# Allegro board reServer industrial J401 Carrier Board v11.brd (continued)
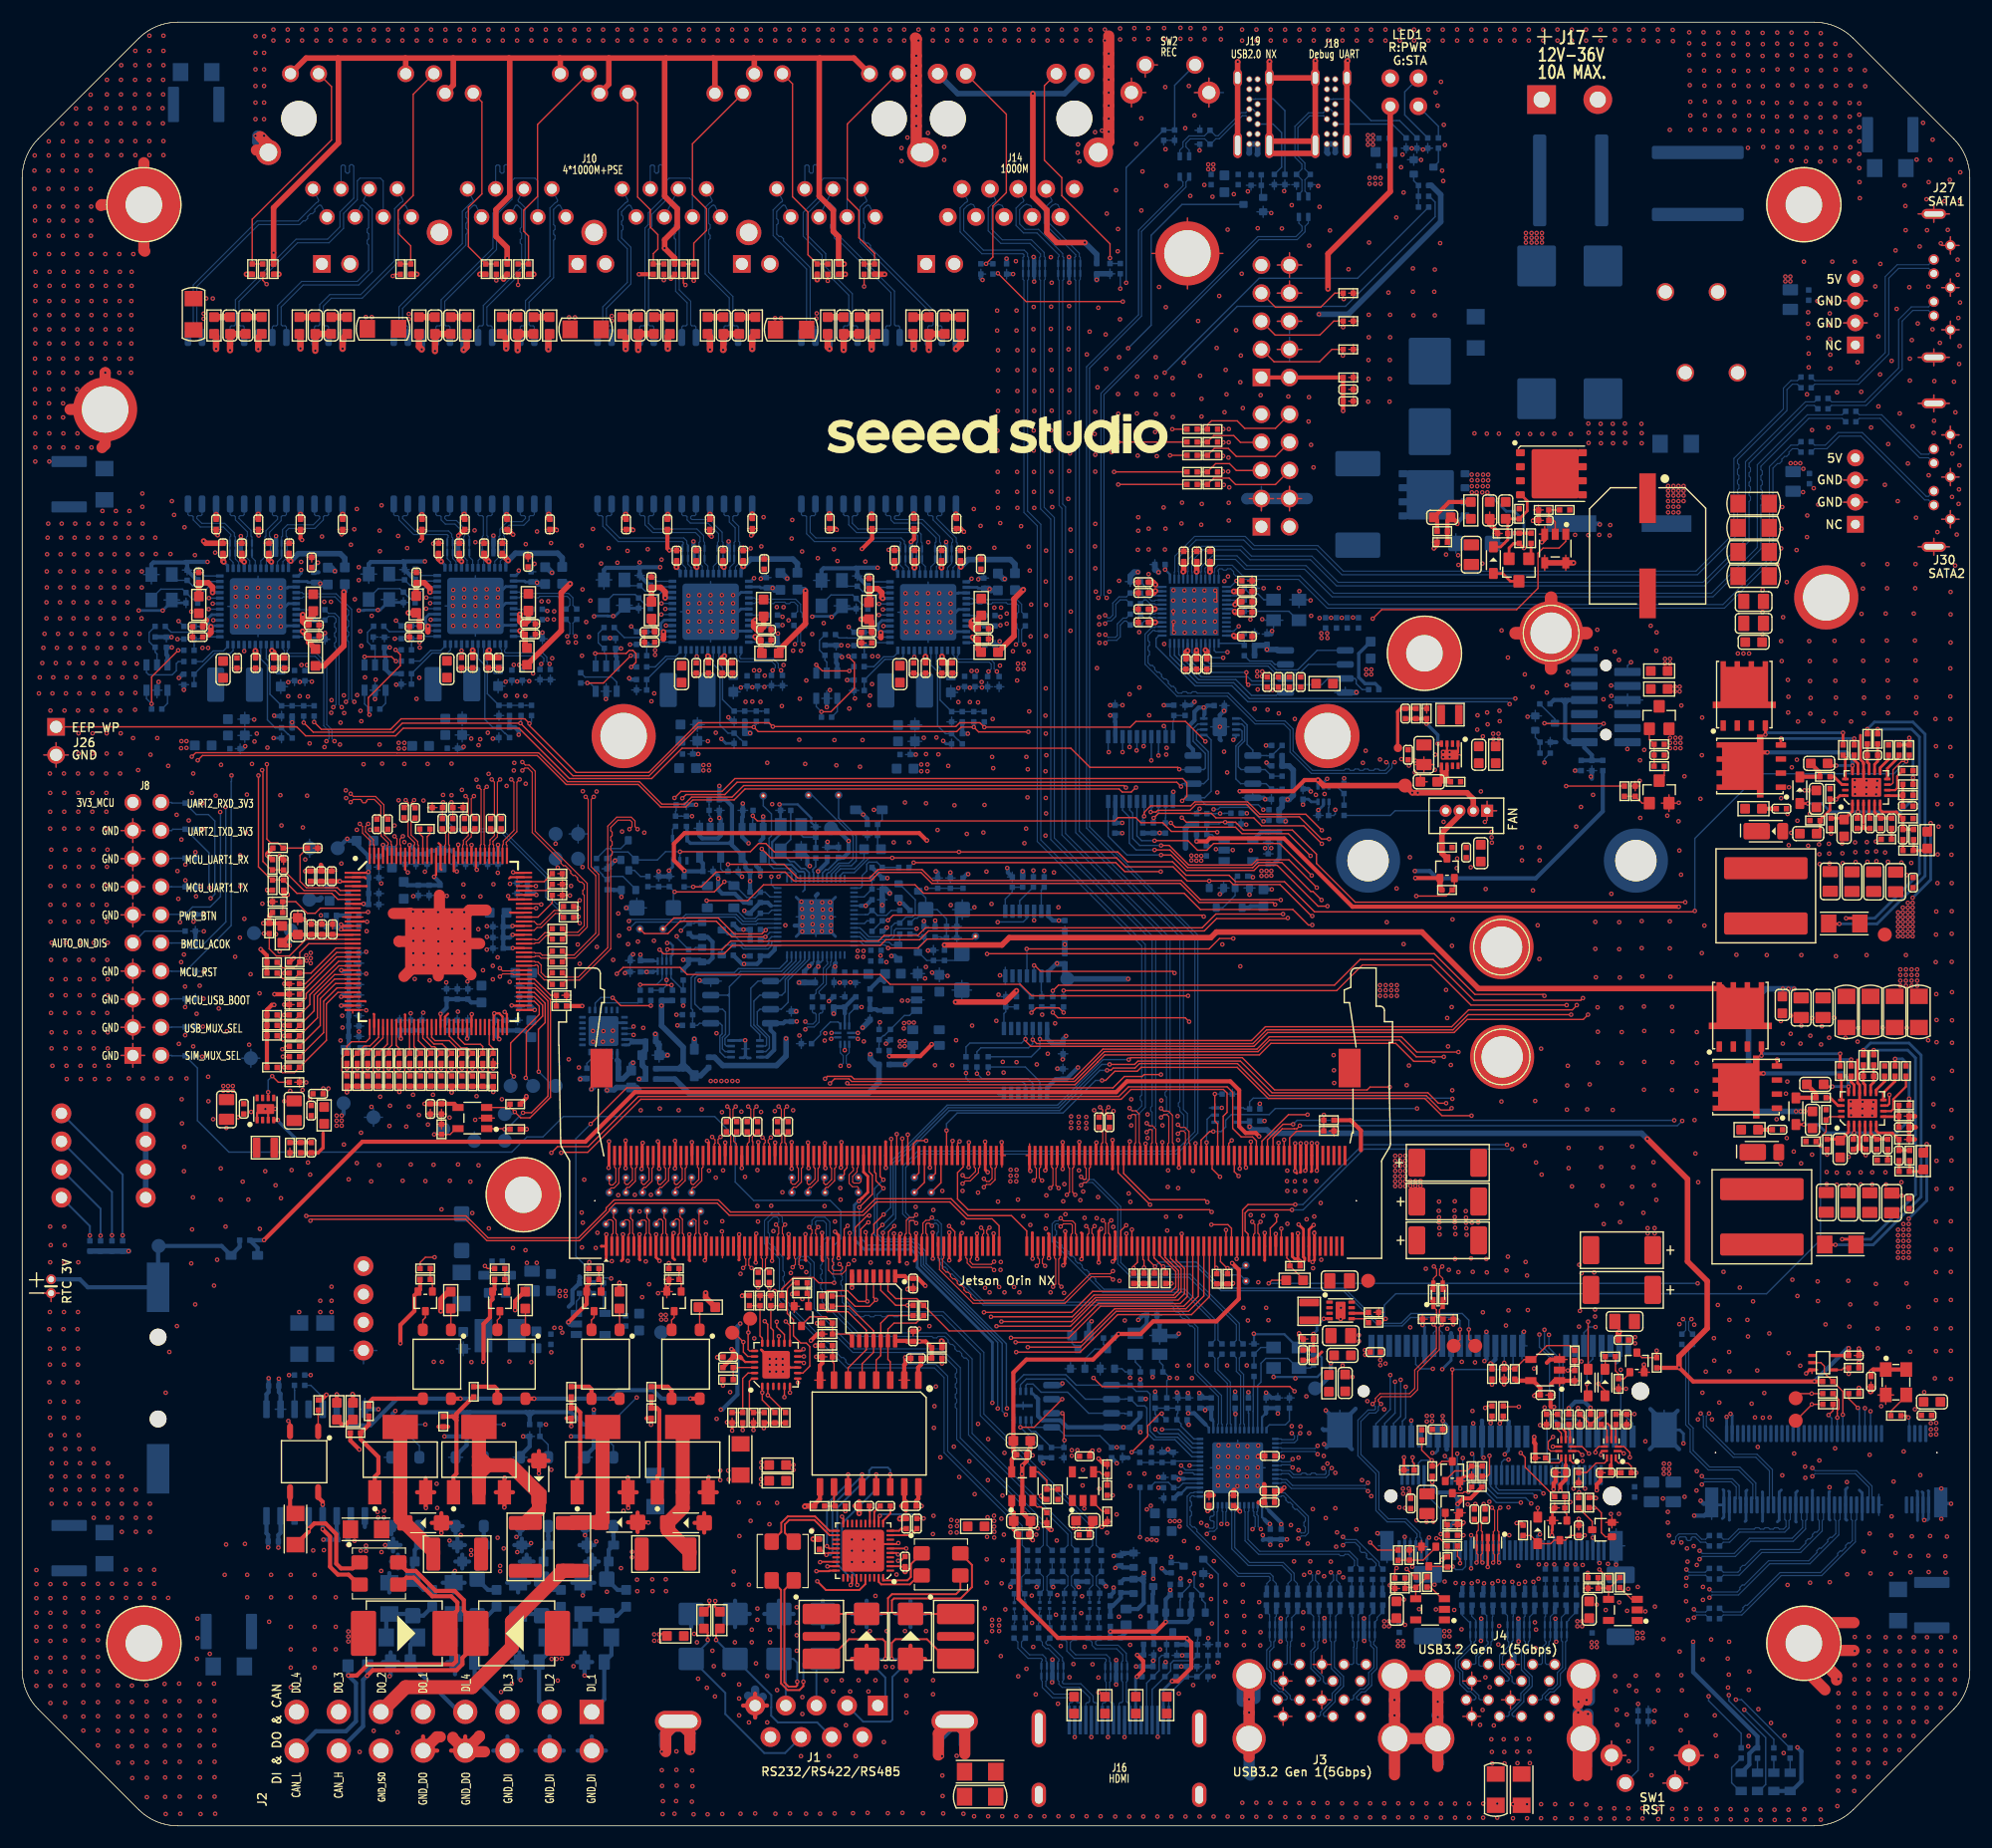
[diagram p0: board, top side]
## Routing (per net, layer and track width the routed paths; a pad name or vN(x,y) marks a point on that pad's centre or on a via; arc(x,y) is an arc through that point) (continued)
 v1(109.04,126.23) v1(109.03,125.02) v1(109.01,123.65) v1(108.98,122.39) v1(109.03,119.56) v1(109.03,117.96) v1(109,34.39) v1(108.97,33.4) v1(108.98,32.41) v1(109.08,120.96) v1(109.39,88.18) v1(109.49,147.45) v1(109.69,135.16) v1(109.86,34.34) v1(109.84,33.35) v1(109.81,31.6) v1(109.81,30.71) v1(110.13,132.87) v1(110.08,130.46) v1(110.08,77.68) v1(110.2,140.26) v1(110.3,128.12) v1(110.35,46.81) v1(110.3,21.8) v1(110.3,20.25) v1(110.43,18.98) v1(110.43,17.53) v1(110.41,16.33) v1(110.66,41.61) v1(110.76,147.7) v1(110.76,45.67) v1(110.72,34.31) v1(110.7,33.32) v1(110.7,32.34) v1(110.67,31.57) v1(110.67,30.68) v1(110.99,109.02) v1(111.02,88.16) v1(111.02,55.2) v1(111.37,100.94) v1(111.65,144.38) v1(111.65,102.69) v1(111.67,32.39) v1(111.64,31.62) v1(111.64,30.73) v1(111.7,49.13) v1(111.69,34.36) v1(111.78,20.22) v1(111.91,129.29) v1(111.9,18.95) v1(111.9,17.5) v1(111.88,16.31) v1(112.06,109.04) v1(112.13,55.15) v1(112.11,26.27) v1(112.18,111.84) v1(112.32,88.36) v1(112.41,46.81) v1(112.54,100.87) v1(112.62,45.7) v1(112.87,145.75) v1(112.87,88.36) v1(113,102.64) v1(113.56,111.86) v1(113.73,25.35) v1(113.83,144.35) v1(114.04,147.73) v1(114.32,59.21) v1(114.29,58.27) v1(114.32,57.38) v1(114.41,129.17) v1(114.65,27.18) v1(114.72,146.46) v1(114.72,36.12) v1(114.93,23.9) v1(115,100.03) v1(115.01,58.24) v1(115.03,57.36) v1(115.05,40.44) v1(115.33,33.28) v1(115.33,32.16) v1(115.41,111.58) v1(115.51,36.1) v1(115.77,19.31) v1(115.71,17.86) v1(115.74,16.36) v1(115.84,22.68) v1(115.92,58.27) v1(115.94,57.38) v1(116.04,38.81) v1(116.17,25.5) v1(116.25,126.91) v1(116.3,142.8) v1(116.28,129.11) v1(116.3,35.49) v1(116.47,124.8) v1(116.43,110.75) v1(116.4,23.9) v1(116.48,109.35) v1(116.65,50.4) v1(116.63,28.63) v1(116.69,122.76) v1(116.76,55.07) v1(116.9,93.17) v1(116.96,58.27) v1(117.11,148.19) v1(117.24,146.31) v1(117.24,109.15) v1(117.34,56.29) v1(117.64,34.5) v1(117.62,33.43) v1(117.64,22.56) v1(117.69,93.25) v1(117.8,27.82) v1(117.95,32.74) v1(118.18,144.17) v1(118.25,23.88) v1(118.28,109.17) v1(118.51,69.65) v1(118.53,68.28) v1(118.56,67.13) v1(118.66,31.9) v1(118.66,28.7) v1(118.74,25.22) v1(118.81,26.52) v1(119.17,46.81) v1(119.14,45.8) v1(119.24,109.17) v1(119.32,41.61) v1(119.37,22.46) v1(119.46,94.66) v1(119.85,140.67) v1(120.26,109.2) v1(120.21,40.57) v1(120.57,26.8) v1(120.79,44.35) v1(120.79,43.79) v1(121.15,96.07) v1(121.07,31.24) v1(121.4,97.16) v1(121.56,38.38) v1(121.66,132.46) v1(121.66,130.76) v1(121.63,128.7) v1(121.71,143.08) v1(121.68,136.55) v1(121.68,134.52) v1(121.91,29.8) v1(122.7,96.37) v1(122.72,41.63) v1(123.08,37.65) v1(123.19,41.78) v1(123.31,81.66) v1(123.46,138.56) v1(123.56,128.7) v1(123.61,136.55) v1(123.61,134.52) v1(123.59,132.46) v1(123.59,130.76) v1(123.59,21.74) v1(124.17,145.34) v1(124.2,84.71) v1(124.45,28.78) v1(124.6,149.89) v1(124.63,96.4) v1(124.73,151.03) v1(124.83,147.6) v1(124.83,79.68) v1(124.86,20.45) v1(124.96,28.73) v1(124.96,18.16) v1(125.11,66.93) v1(125.32,95.81) v1(125.32,68.71) v1(125.4,87.53) v1(125.43,45.05) v1(125.57,151.59) v1(125.67,140.74) v1(125.67,138.64) v1(125.62,23.42) v1(125.72,136.5) v1(125.85,95.2) v1(125.87,96.27) v1(126,27.61) v1(126.23,19.59) v1(126.41,150.55) v1(126.59,151.49) v1(126.84,50.35) v1(126.9,27.48) v1(127.51,27.48) v1(127.65,140.64) v1(127.6,138.64) v1(127.65,136.5) v1(127.66,95.43) v1(127.63,21.8) v1(127.73,156.64) v1(127.7,96.8) v1(127.75,19.56) v1(127.91,155.45) v1(128.03,56.42) v1(128.01,55.58) v1(128.03,54.99) v1(128.03,54.54) v1(128.06,54.03) v1(128.13,143.03) v1(128.08,53.44) v1(128.21,157.61) v1(128.31,149.58) v1(128.36,37.04) v1(128.47,153.72) v1(128.41,148.64) v1(128.41,97.03) v1(128.41,96.57) v1(128.44,90.73) v1(128.57,151.89) v1(128.54,22.08) v1(128.67,114.89) v1(128.67,75.54) v1(128.77,73) v1(128.85,70.44) v1(128.78,44.93) v1(128.92,50.24) v1(128.99,97.03) v1(128.99,96.6) v1(129.1,68.76) v1(129.25,81.92) v1(129.2,79.53) v1(129.18,73.99) v1(129.23,66.47) v1(129.46,56.44) v1(129.43,55.6) v1(129.46,55.02) v1(129.46,54.56) v1(129.4,19.51) v1(129.48,54.05) v1(129.51,53.47) v1(129.48,51.23) v1(129.53,21.95) v1(129.67,87.42) v1(129.63,86.55) v1(129.77,114.83) v1(129.68,16.21) v1(129.79,113.95) v1(129.79,50.04) v1(130.07,17.76) v1(130.09,41.94) v1(130.45,55.55) v1(130.47,54.97) v1(130.47,54.51) v1(130.5,54) v1(130.52,53.42) v1(130.62,29.06) v1(130.9,86.62) v1(130.93,51.29) v1(131.01,54.51) v1(131.06,37.49) v1(131.08,50.07) v1(131.23,125.83) v1(131.28,41.89) v1(131.51,100.36) v1(131.49,99.06) v1(131.56,54.54) v1(131.54,22.1) v1(131.74,9.13) v1(131.82,93.48) v1(131.94,114.07) v1(131.97,10.47) v1(132,98.45) v1(132,46.41) v1(132.18,90.73) v1(132.25,84.66) v1(132.22,13.42) v1(132.35,125.81) v1(132.3,51.23) v1(132.35,50.02) v1(132.38,100.61) v1(132.43,99.55) v1(132.58,29.29) v1(132.61,12.53) v1(132.76,7.83) v1(132.81,6.68) v1(132.83,5.64) v1(132.99,9.08) v1(133.37,22.13) v1(133.44,125.81) v1(133.47,18.07) v1(133.39,16.39) v1(133.49,100.76) v1(133.52,99.82) v1(133.67,65.46) v1(133.88,7.83) v1(133.93,6.68) v1(133.95,5.64) v1(134.13,50.19) v1(134.08,45.21) v1(134.26,105.58) v1(134.26,51.44) v1(134.31,46.59) v1(134.31,28.78) v1(134.38,26.27) v1(135.04,7.85) v1(135.15,125.81) v1(135.09,6.71) v1(135.12,5.67) v1(135.2,23.5) v1(135.25,21.87) v1(135.5,88.42) v1(135.53,87.25) v1(135.79,104.06) v1(135.78,61.47) v1(135.86,50.95) v1(136.03,100.23) v1(135.98,49.74) v1(136.06,46.61) v1(136.16,7.85) v1(136.26,125.78) v1(136.21,6.71) v1(136.24,5.67) v1(136.52,84.53) v1(136.62,41.33) v1(136.72,65.51) v1(136.69,18.39) v1(136.75,16.06) v1(136.8,59.95) v1(136.8,17.74) v1(136.95,81.38) v1(137.05,23.62) v1(137.02,22.33) v1(137.1,88.42) v1(137.13,87.25) v1(137.1,78.34) v1(137.16,36.21) v1(137.15,26.34) v1(137.25,70.23) v1(137.36,125.78) v1(137.3,58.85) v1(138.45,125.81) v1(139.67,68.68) v1(139.62,66.91) v1(139.59,64.72) v1(139.74,61.27) v1(139.74,59.44) v1(139.95,125.78) v1(140.05,57.79) v1(140.33,116.66) v1(140.43,90.3) v1(140.71,50.7) v1(140.76,46.54) v1(140.68,45.11) v1(140.86,92.08) v1(140.91,49.94) v1(141.01,23.57) v1(141.42,64.75) v1(141.52,126.72) v1(141.55,125.88) v1(141.55,124.97) v1(141.52,116.64) v1(141.65,67.01) v1(141.75,94.82) v1(141.95,93.17) v1(142.05,50.02) v1(142.16,81.69) v1(142.16,79.25) v1(142.13,46.66) v1(142.13,46.03) v1(142.26,106.38) v1(142.21,76.69) v1(142.33,108.09) v1(142.36,73.97) v1(142.28,56.06) v1(142.28,19.99) v1(142.38,71.76) v1(142.38,68.96) v1(142.51,116.66) v1(142.64,126.7) v1(142.66,125.86) v1(142.66,124.95) v1(142.69,61.27) v1(142.69,59.54) v1(142.82,57.84) v1(142.92,54.38) v1(143.1,19.51) v1(143.3,23.68) v1(143.45,116.61) v1(143.5,117.55) v1(143.53,101.17) v1(143.56,28.19) v1(143.6,102.11) v1(143.6,84.23) v1(143.73,126.7) v1(143.76,125.86) v1(143.76,124.95) v1(143.73,64.7) v1(143.93,13.54) v1(143.98,12.17) v1(144.09,10.49) v1(144.14,9.12) v1(144.29,105.36) v1(144.31,81.66) v1(144.31,79.23) v1(144.37,76.66) v1(144.29,28.2) v1(144.31,20.2) v1(144.39,54.56) v1(144.52,73.94) v1(144.54,71.73) v1(144.54,68.94) v1(144.54,56.24) v1(144.82,126.72) v1(144.85,125.88) v1(144.85,124.97) v1(144.92,39.5) v1(145.03,19.43) v1(145,10.06) v1(145.13,21.41) v1(145.15,7.65) v1(145.2,12.68) v1(145.18,5.84) v1(145.48,61.39) v1(145.48,57.76) v1(145.58,59.51) v1(145.81,13.57) v1(145.86,12.19) v1(145.99,21.59) v1(146.17,94.44) v1(146.19,96.29) v1(146.22,91.09) v1(146.32,126.7) v1(146.35,125.86) v1(146.35,124.95) v1(146.35,81.77) v1(146.35,79.33) v1(146.4,76.76) v1(146.55,74.04) v1(146.55,66.53) v1(146.5,55.4) v1(146.58,97.23) v1(146.58,71.83) v1(146.58,69.04) v1(146.68,34.75) v1(146.68,19.38) v1(147.16,108.45) v1(147.26,6.99) v1(147.24,4.57) v1(147.41,59.97) v1(147.46,57.89) v1(147.46,9.4) v1(147.54,19.81) v1(147.52,10.42) v1(147.67,106.2) v1(147.67,56.57) v1(147.69,107.85) v1(147.79,13.62) v1(147.85,12.25) v1(148.26,29.58) v1(148.3,16.87) v1(148.66,91.29) v1(148.71,28.37) v1(148.71,27.41) v1(148.81,26.24) v1(148.89,81.74) v1(148.89,79.3) v1(148.94,76.74) v1(149.09,74.02) v1(149.12,71.81) v1(149.12,69.01) v1(149.09,66.5) v1(149.7,92.46) v1(149.67,90.78) v1(149.75,88.14) v1(149.75,45.34) v1(149.78,15.75) v1(149.93,101.25) v1(149.9,85.96) v1(149.93,13.62) v1(149.88,8.64) v1(149.98,12.25) v1(150.21,94.85) v1(150.22,29.74) v1(150.36,21.69) v1(150.36,20.3) v1(150.44,25.07) v1(150.39,9.98) v1(150.49,23.88) v1(150.54,18.6) v1(151.05,25.28) v1(151.12,63.78) v1(151.1,45.29) v1(151.2,60.76) v1(151.33,71.73) v1(151.33,68.94) v1(151.3,66.42) v1(151.33,32.06) v1(151.3,30.3) v1(151.33,23.57) v1(151.45,58.17) v1(151.43,36.73) v1(151.66,92.81) v1(151.81,100.15) v1(151.78,96.75) v1(151.78,78.87) v1(151.83,39.14) v1(151.86,15.04) v1(151.88,21.59) v1(151.88,20.42) v1(152.01,81.36) v1(152.62,16.84) v1(152.7,36.73) v1(152.87,44.07) v1(152.9,42.04) v1(152.95,9.98) v1(153.03,8.18) v1(153.1,6.3) v1(153.23,47.07) v1(153.36,38.25) v1(153.74,50.07) v1(154.12,15.12) v1(154.14,12.5) v1(154.27,45.72) v1(154.25,42.83) v1(154.27,41.07) v1(154.25,16.64) v1(154.22,13.67) v1(154.91,78.72) v1(155.21,48.64) v1(155.9,45.72) v1(155.95,44.22) v1(156.02,12.3) v1(156.02,8.13) v1(155.97,7.19) v1(156.07,13.95) v1(156.28,38.15) v1(156.41,47.4) v1(156.79,41.15) v1(156.84,34.24) v1(156.89,10.54) v1(157.27,111.69) v1(157.27,109.71) v1(157.27,107.67) v1(157.42,39.12) v1(157.65,78.69) v1(157.88,44.5) v1(158.03,9.3) v1(158.54,63.86) v1(158.61,114) v1(158.97,117.22) v1(158.95,115.45) v1(158.95,107.06) v1(158.95,92.86) v1(158.92,72.72) v1(158.89,59.82) v1(159.05,119.18) v1(159,105.26) v1(159.05,31.68) v1(159.12,109.22) v1(159.1,70.69) v1(159.25,8.16) v1(159.17,6.58) v1(159.45,112.4) v1(159.38,66.17) v1(159.45,62.16) v1(159.55,103.56) v1(159.53,91.44) v1(159.5,67.26) v1(159.53,21.77) v1(159.61,102.03) v1(159.58,100.61) v1(159.66,93.86) v1(159.63,88.62) v1(159.63,42.73) v1(159.86,89.74) v1(159.83,73.21) v1(159.81,71.58) v1(159.91,95.66) v1(159.96,49.35) v1(160.09,60.94) v1(160.12,33.65) v1(160.34,115.29) v1(160.37,96.34) v1(160.47,99.8) v1(160.42,90.83) v1(160.42,47.88) v1(160.7,70.69) v1(160.75,59.87) v1(160.67,41.58) v1(160.77,78.69) v1(160.77,72.32) v1(160.93,120.53) v1(161,141.35) v1(161.1,32.46) v1(161.13,31.45) v1(161.28,129.36) v1(161.31,118.42) v1(161.28,116.46) v1(161.38,136.78) v1(161.38,135.74) v1(161.41,134.47) v1(161.43,133.05) v1(161.43,131.8) v1(161.38,88.57) v1(161.49,107.06) v1(161.54,105.26) v1(161.56,103.46) v1(161.54,91.47) v1(161.56,21.97) v1(161.61,101.93) v1(161.59,100.51) v1(161.59,71.4) v1(161.74,126.14) v1(161.74,73) v1(161.74,60.66) v1(161.89,120.88) v1(162.22,137.8) v1(162.25,49.2) v1(162.3,119.41) v1(162.27,47.42) v1(162.37,88.7) v1(162.4,87.81) v1(162.42,86.92) v1(162.4,33.02) v1(162.55,70.61) v1(162.63,72.27) v1(162.76,99.82) v1(162.96,45.32) v1(163.06,59.08) v1(163.06,57.99) v1(163.21,126.37) v1(163.26,88.75) v1(163.34,136.68) v1(163.34,135.64) v1(163.36,134.37) v1(163.29,87.86) v1(163.31,86.97) v1(163.29,71.22) v1(163.32,30.6) v1(163.34,22.02) v1(163.44,137.72) v1(163.39,132.95) v1(163.39,131.7) v1(163.57,141.35) v1(163.77,107.09) v1(163.75,73.03) v1(163.82,105.29) v1(163.85,103.48) v1(163.82,34.11) v1(163.9,101.96) v1(163.87,100.54) v1(163.9,78.59) v1(164,129.54) v1(163.97,59.03) v1(163.97,57.94) v1(164.46,88.78) v1(164.48,87.89) v1(164.51,87) v1(164.76,71.22) v1(164.89,31.07) v1(164.91,22.74) v1(165.04,60.45) v1(165.04,59.01) v1(165.04,57.91) v1(165.02,49.25) v1(165.12,45.11) v1(165.27,99.8) v1(165.24,65.46) v1(165.24,64.85) v1(165.27,64.21) v1(165.19,47.12) v1(165.6,141.35) v1(165.6,94.49) v1(165.6,93.88) v1(165.63,93.25) v1(165.63,88.88) v1(165.65,87.99) v1(165.68,87.1) v1(165.85,132.26) v1(165.85,70.87) v1(165.9,72.11) v1(166.13,59.06) v1(166.13,57.97) v1(166.18,129.59) v1(166.21,109.53) v1(166.36,114) v1(166.34,111.81) v1(166.31,107.09) v1(166.36,105.29) v1(166.31,65.43) v1(166.29,64.82) v1(166.29,64.21) v1(166.39,103.48) v1(166.44,101.96) v1(166.41,100.54) v1(166.39,24.79) v1(166.67,94.47) v1(166.64,93.25) v1(166.67,78.69) v1(166.59,60.61) v1(166.69,88.9) v1(166.72,88.01) v1(166.74,87.12) v1(166.95,33.53) v1(166.95,26.42) v1(167.02,22.81) v1(167.07,126.37) v1(167.23,64.82) v1(167.17,64.19) v1(167.17,59.06) v1(167.17,57.97) v1(167.28,65.41) v1(167.45,139.12) v1(167.53,136.55) v1(167.53,93.22) v1(167.5,88.95) v1(167.53,88.06) v1(167.56,87.18) v1(167.5,48.97) v1(167.53,47.2) v1(167.63,94.44) v1(167.58,93.86) v1(167.66,44.94) v1(167.73,134.6) v1(167.73,128.27) v1(167.68,43.16) v1(167.91,141.15) v1(167.89,131.17) v1(167.99,37.92) v1(168.11,72.14) v1(168.32,121.19) v1(168.34,87.96) v1(168.37,59.06) v1(168.39,109.55) v1(168.42,57.97) v1(168.55,114.02) v1(168.52,111.84) v1(168.5,107.11) v1(168.55,105.31) v1(168.57,103.51) v1(168.62,124.87) v1(168.62,101.98) v1(168.6,100.56) v1(168.6,87.12) v1(168.93,132.39) v1(168.93,27.97) v1(168.9,26.24) v1(168.88,22.76) v1(169.11,31.12) v1(169.28,142.37) v1(169.28,24.67) v1(169.38,137.09) v1(169.49,119.71) v1(169.66,127.64) v1(169.82,87.05) v1(169.82,58.17) v1(169.84,56.95) v1(170.02,33.84) v1(170.1,148.24) v1(170.17,146.38) v1(170.2,144.2) v1(170.22,78.69) v1(170.3,85.93) v1(170.3,72.11) v1(170.27,49.02) v1(170.4,123.12) v1(170.45,46.89) v1(170.43,44.99) v1(170.53,139.04) v1(170.58,132.59) v1(170.58,130.61) v1(170.6,42.85) v1(170.6,24.39) v1(170.63,22.91) v1(170.76,134.27) v1(170.71,87.02) v1(170.76,26.16) v1(170.83,126.47) v1(170.93,109.55) v1(171.06,111.84) v1(171.04,107.11) v1(171.04,37.65) v1(171.14,118.21) v1(171.09,114.02) v1(171.09,105.31) v1(171.11,103.51) v1(171.16,101.98) v1(171.14,100.56) v1(171.19,150.57) v1(171.29,135.77) v1(171.47,142.73) v1(171.52,31.7) v1(171.77,153.9) v1(171.87,39.19) v1(172.08,146.99) v1(172.13,144.2) v1(172.25,139.09) v1(172.23,71) v1(172.25,24.41) v1(172.28,148.54) v1(172.28,122.05) v1(172.28,22.94) v1(172.41,150.55) v1(172.41,26.19) v1(172.64,152.38) v1(172.62,135.24) v1(172.76,126.98) v1(172.74,125.88) v1(172.69,67.54) v1(172.71,65.2) v1(172.71,63.2) v1(172.79,130.56) v1(172.84,40.44) v1(172.89,100.03) v1(172.94,97.56) v1(172.97,82.63) v1(172.94,80.55) v1(172.92,78.06) v1(172.97,75.16) v1(172.94,54.61) v1(172.94,52.07) v1(172.94,50.04) v1(172.94,47.5) v1(172.94,44.94) v1(172.94,42.9) v1(173.07,116.92) v1(172.99,94.92) v1(173.07,92.33) v1(173.07,85.19) v1(172.99,72.82) v1(172.99,70.82) v1(172.99,60.1) v1(172.99,57.56) v1(173.17,90.3) v1(173.09,87.78) v1(173.29,134.02) v1(173.37,143.01) v1(173.7,146.81) v1(173.78,24.36) v1(173.8,22.89) v1(173.93,26.14) v1(174.01,144.22) v1(174.19,148.74) v1(174.26,111.51) v1(174.26,109.48) v1(174.26,106.94) v1(174.24,104.6) v1(174.24,102.06) v1(174.24,100.03) v1(174.24,97.49) v1(174.29,150.57) v1(174.34,94.87) v1(174.34,92.33) v1(174.34,90.3) v1(174.34,87.76) v1(174.36,85.19) v1(174.36,82.65) v1(174.36,80.62) v1(174.36,78.08) v1(174.34,64.7) v1(174.34,62.16) v1(174.34,60.12) v1(174.34,57.58) v1(174.29,54.64) v1(174.29,52.1) v1(174.29,50.07) v1(174.29,47.53) v1(174.29,44.96) v1(174.29,42.93) v1(174.29,40.39) v1(174.41,124.01) v1(174.39,120.09) v1(174.39,75.34) v1(174.39,72.8) v1(174.39,70.77) v1(174.39,68.23) v1(174.57,130.51) v1(174.67,113.9) v1(174.69,127.74) v1(174.82,116.69) v1(174.89,141.54) v1(174.9,140.16) v1(174.96,136.27) v1(175.03,132.11) v1(175.05,122.95) v1(175.02,120.77) v1(174.98,119.46) v1(175.13,149.43) v1(175.11,146.81) v1(175.11,137.66) v1(175.08,133.73) v1(175.11,124.68)
